# Altium PCB LJ_Mosfet_Power.PcbDoc (part 5 of 5)
Units mm, origin at the board's own origin, x right, y up, seen from the top; angles counter-clockwise.
Board outline 152.51 x 130.13 mm, 2 copper layers (Top Layer, Bottom Layer); 337 components, 193 nets, 1586 pads, 1491 vias.
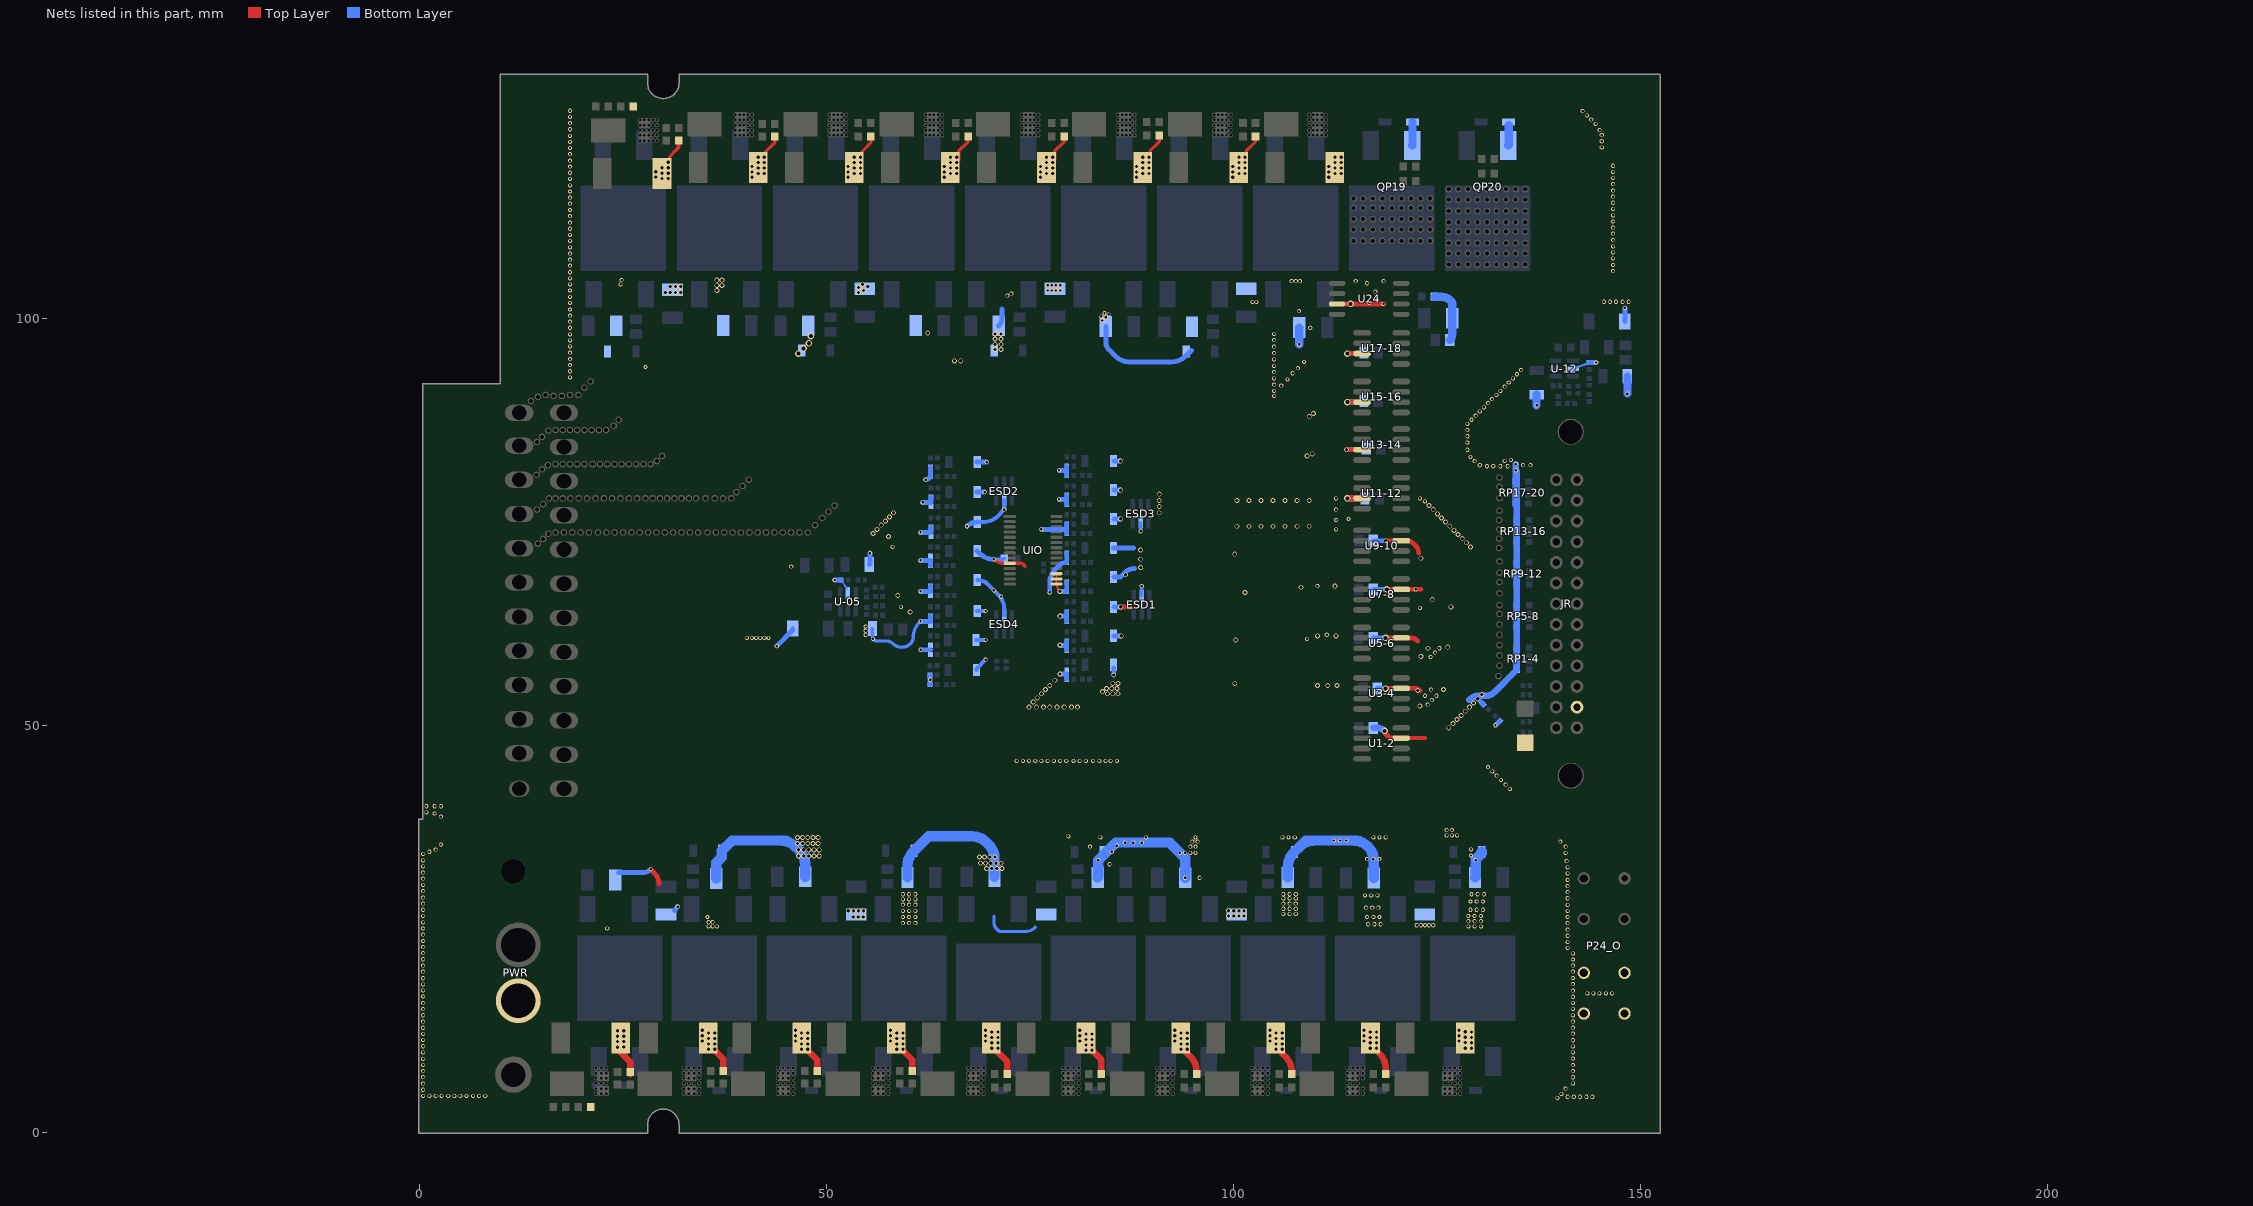
[diagram p5: the nets of this part, all layers, seen from the top]

## Via types
v1: diameter 0.5, hole 0.3, Top Layer to Bottom Layer, tented both sides, 758 vias
v2: diameter 0.6, hole 0.4, Top Layer to Bottom Layer, tented both sides, 698 vias
v3: diameter 0.8, hole 0.5, Top Layer to Bottom Layer, tented both sides, 22 vias
v4: diameter 0.6, hole 0.43, Top Layer to Bottom Layer, tented both sides, 8 vias
v5: diameter 0.5, hole 0.3, Top Layer to Bottom Layer, 3 vias
v6: diameter 0.6, hole 0.3, Top Layer to Bottom Layer, tented both sides, 2 vias

## Nets (pads, with @x,y where several pads share a name; then routed paths per layer and width w, separated by ;. In a path a pad name is that pad's centre, name@x,y a point inside that pad or via, vN(x,y) a via of type N, cw(c..) or ccw(c..) an arc to the next point about the centre after c; other vN are vias at no path point) (continued)
VG_R: C00.1 C1-2.2 C02.1 C3-4.2 C03.1 C04.1 C5-6.2 C05.1 C06.1 C7-8.2 C07.1 C08.1 C9-10.2 C09.1 C10.1 C11-12.2 C11.1 C12.1 C13-14.2 C13.1 C14.1 C15-16.2 C15.1 C16.1 C17-18.2 CA3.1 CA4.2 CB3.1 CB4.2 CI1.1 CQ1.2 CQ2.2 CQ3.2 CQ4.2 CQ5.2 CQ6.2 CQ7.2 CQ8.2 CQ9.2 CQ10.2 CQ11.2 CQ12.2 CQ13.2 CQ14.2 CQ15.2 CQ16.2 CQ17.2 CQ18.2 CQ19.2 CQ20.1 CU1-2.2 CU3-4.2 CU5-6.2 CU7-8.2 CU9-10.2 CU11-12.2 CU13-14.2 CU15-16.2 CU17-18.2 CU24.2 D1-2.1 D3-4.1 D5-6.1 D7-8.1 D9-10.1 D11-12.1 D13-14.1 D15-16.1 D17-18.1 DX_1.1 DX_2.1 DX_3.1 DX_4.1 DX_5.1 DX_6.1 DX_7.1 DX_8.1 DX_9.1 DX_10.1 DX_11.1 DX_12.1 DX_13.1 DX_14.1 DX_15.1 DX_16.1 DX_17.1 DX_18.1 ESD1.2 ESD2.2 ESD3.2 ESD4.2 JR.24 LED_01.K LED_02.K LED_03.K LED_04.K LED_05.K LED_06.K LED_07.K LED_08.K LED_09.K LED_10.K LED_11.K LED_12.K LED_13.K LED_14.K LED_15.K LED_16.K LED_17.K LED_18.K P24_O.1 P24_O.2 PWR.1 QP19.3 QP20.3 R2.1 R5.1 R8.1 R11.1 R14.1 R17.1 R20.1 R23.1 R26.1 R29.1 R32.1 R35.1 R38.1 R41.1 R44.1 R47.1 RA7.2 RB7.2 RI4.2 RI5.2 RP1-4.5 RP1-4.6 RP1-4.7 RP1-4.8 RP5-8.5 RP5-8.6 RP5-8.7 RP5-8.8 RP9-12.5 RP9-12.6 RP9-12.7 RP9-12.8 RP13-16.5 RP13-16.6 RP13-16.7 RP13-16.8 RP17-20.5 RP17-20.6 RP17-20.7 RP17-20.8 SA1.1 SB1.1 TVS.1 U1-2.3 U3-4.3 U5-6.3 U7-8.3 U9-10.3 U11-12.3 U13-14.3 U15-16.3 U17-18.3 U24.3 U-05.2 U-12.2 UIO.10 UIO.15 UIO.16 UIO.17 ZD19.1 ZD20.1 ZM01.1 ZM02.1 ZM03.1 ZM04.1 ZM05.1 ZM06.1 ZM07.1 ZM08.1 ZM09.1 ZM10.1 ZM11.1 ZM12.1 ZM13.1 ZM14.1 ZM15.1 ZM16.1 | length 380.8
  Top Layer w0.254: UIO.17@78.307,68.701 UIO.16@78.307,68.061 78.307,67.577 ccw(c79.785,67.577) v2(78.74,66.532)
  Top Layer w0.4: DX_12.1@29.845,117.84 30.734,118.729 30.734,119.618 cw(c31.347,119.618) 30.914,120.052 31.496,120.634 ; LED_11.K@31.885,121.904 LED_11.K@31.885,121.573 ; DX_11.1@42.545,119.364 42.545,120.507 43.696,121.658 LED_14.K@43.696,122.412 LED_14.K@43.696,122.539 ; DX_14.1@54.356,119.364 54.356,120.507 55.507,121.658 LED_13.K@55.507,122.412 LED_13.K@55.507,122.539 ; DX_13.1@66.294,119.491 66.294,120.634 67.445,121.785 LED_16.K@67.445,122.412 LED_16.K@67.445,122.666 ; v1(70.612,70.469) ccw(c71.791,71.648) 71.791,69.981 UIO.10@72.569,69.981 73.941,69.981 cw(c73.941,69.48) 74.295,69.834 cw(c73.988,69.527) 74.422,69.527 ; DX_16.1@78.105,119.491 78.105,120.634 79.256,121.785 LED_15.K@79.256,122.412 LED_15.K@79.256,122.666 ; DX_15.1@89.789,119.491 89.789,120.634 90.94,121.785 LED_18.K@90.94,122.539 LED_18.K@90.94,122.666 ; DX_18.1@101.6,119.491 101.6,120.634 102.751,121.785 LED_17.K@102.751,122.412 LED_17.K@102.751,122.666 ; LED_11.K@31.885,121.573 cw(c30.557,121.573) 31.497,120.635 31.885,121.023 LED_11.K@31.885,121.573
  Top Layer w0.5: v2(118.745,72.755) U9-10.3@120.65,72.755 ; U1-2.3@120.65,48.498 123.571,48.498
  Top Layer w0.6: v1(28.448,32.369) 28.925,31.892 cw(c27.624,30.591) 29.464,30.591 ; v4(86.173,64.627) 87.376,64.627 ; U24.3@113.284,101.838 v3(114.427,101.838) v1(118.491,101.838) ; v2(113.919,83.931) U13-14.3@115.85,83.931 ; v3(114.046,89.773) U15-16.3@115.85,89.773 ; v3(114.046,95.742) U17-18.3@115.85,95.742 ; v3(118.618,49.387) ccw(c119.231,49.387) 118.798,48.953 118.999,48.752 ccw(c119.612,49.365) 119.612,48.498 U1-2.3@120.65,48.498 ; v3(118.745,54.594) 120.573,54.594 ccw(c120.573,54.702) U3-4.3@120.65,54.626 122.246,54.626 cw(c122.246,53.65) v2@122.936,54.34 ; v3(118.745,60.817) U5-6.3@120.65,60.817 121.762,60.817 cw(c121.762,59.516) 122.682,60.436 ; v3(118.872,66.786) U7-8.3@120.65,66.786 123.063,66.786 ; U9-10.3@120.65,72.755 121.254,72.755 cw(c121.254,71.454) 122.174,72.374 122.45,72.098 cw(c121.583,71.231) 122.809,71.231
  Top Layer w0.8: DX_1.1@24.511,10.938 24.511,10.144 25.916,8.739 LED_02.K@25.916,7.477 LED_02.K@25.916,7.223 ; DX_2.1@35.547,11.643 35.547,10.919 37.346,9.12 LED_03.K@37.346,7.604 ; DX_3.1@46.99,11.643 v2(46.99,11.605) v2(46.99,10.938) 46.99,10.906 48.895,9.001 48.895,7.612 LED_04.K@48.903,7.604 ; DX_4.1@58.638,11.643 58.638,10.942 58.991,10.589 60.587,8.993 LED_05.K@60.587,7.604 ; DX_5.1@70.285,11.643 70.285,10.725 72.271,8.739 LED_06.K@72.271,7.223 ; DX_6.1@81.933,11.643 81.933,10.888 v2(82.677,10.144) 83.828,8.993 LED_07.K@83.828,7.223 ; DX_7.1@93.581,11.643 93.581,11.595 ccw(c96.121,11.595) 94.325,9.799 94.768,9.356 cw(c92.972,7.56) 95.512,7.56 LED_08.K@95.512,7.223 ; DX_8.1@105.229,11.643 105.229,11.632 ccw(c107.769,11.632) 105.973,9.835 106.452,9.356 cw(c104.656,7.56) 107.196,7.56 LED_09.K@107.196,7.223 ; v3(114.046,77.962) U11-12.3@115.85,77.962 ; DX_9.1@116.876,10.87 117.475,10.271 118.009,9.737 cw(c116.213,7.941) 118.753,7.941 LED_10.K@118.753,7.223
  Bottom Layer w0.254: RA7.2@51.865,67.929 U-05.2@52.548,66.893
  Bottom Layer w0.3: U-12.2@141.772,93.903 RB7.2@143.51,94.472
  Bottom Layer w0.4: CA3.1@55.685,61.96 55.685,61.034 ccw(c56.351,61.034) 55.88,60.563 ccw(c56.187,60.87) 56.187,60.436 57.373,60.436 cw(c57.373,59.135) 58.293,60.055 ccw(c59.213,60.975) 59.213,59.674 59.338,59.674 ccw(c59.338,61.136) 60.372,60.102 ccw(c59.567,60.908) 60.706,60.908 cw(c63.246,60.908) 61.45,62.704 v1(61.595,62.849) ; 70.612,26.654 70.612,25.923 ccw(c71.913,25.923) 70.993,25.003 ccw(c71.606,25.616) 71.606,24.749 74.466,24.749 ccw(c74.466,26.483) 75.692,25.257 ; v1(70.612,70.469) 71.567,70.469 ccw(c71.567,70.903) CI1.1@71.874,70.596 ; v1(88.646,73.898) ESD3.2@88.646,74.982 ; ESD1.2@88.773,65.956 v1(88.773,67.167)
  Bottom Layer w0.5: ZM10.1@68.425,60.563 v1(69.596,60.563) ; ZM09.1@68.474,56.88 cw(c68.831,56.88) 68.579,57.133 v1(69.596,58.15) ; ZM14.1@68.536,75.041 ZM14.1@68.552,75.041 69.306,75.041 ccw(c69.306,77.581) 71.102,75.785 v1(71.882,76.565) ESD2.2@71.882,77.776 ; ZM15.1@68.552,64.119 v1(69.596,64.119) ; ZM16.1@68.58,67.929 cw(c68.58,66.089) 69.881,67.39 71.138,66.133 cw(c69.342,64.337) 71.882,64.337 ESD4.2@71.882,63.543
  Bottom Layer w0.6: CQ1.2@24.511,31.988 27.528,31.988 ccw(c27.528,33.289) v1(28.448,32.369) ; C1-2.2@31.369,27.289 v1(31.75,27.797) ; v1(43.942,59.801) 45.756,61.615 ccw(c45.411,61.96) SA1.1@45.899,61.96 ; v1(51.054,67.929) RA7.2@51.865,67.929 ; CA4.2@55.304,69.834 55.372,69.902 v1(55.372,71.231) ; v1(61.595,62.849) 62.821,62.849 C15.1@62.821,63.484 ; v1(61.595,66.532) 62.849,66.532 C16.1@62.849,67.167 ; v1(61.595,70.342) 62.843,70.342 62.843,69.729 R38.1@62.821,69.707 ; v1(61.595,73.771) 62.887,73.771 C14.1@62.887,74.406 ; v1(61.621,59.356) 62.805,59.356 ; v1(61.849,77.454) 62.887,77.454 C11.1@62.887,78.089 ; v1(62.23,80.248) ccw(c62.23,80.755) 62.589,80.396 R35.1@62.821,80.629 ; R26.1@62.777,55.102 v1(62.777,55.674) C09.1@62.777,56.245 ; R35.1@62.821,80.883 C12.1@62.821,81.772 ; v1(67.31,74.533) cw(c68.536,73.307) ZM14.1@68.536,75.041 ; ZM13.1@68.552,71.485 68.83,71.207 ccw(c70.612,72.989) v1(70.612,70.469) ; ZM11.1@68.552,78.724 v1(69.469,78.724) ; ZM12.1@68.552,82.407 v1(69.723,82.407) ; CQ16.2@71.196,99.146 ccw(c70.154,100.188) 71.628,100.188 71.628,101.203 ; v1(76.454,74.152) 79.569,74.152 ; v1(77.47,66.405) 77.47,67.512 cw(c80.01,67.512) 78.214,69.308 78.587,69.681 cw(c79.569,68.7) R17.1@79.569,70.088 C06.1@79.569,71.231 ; v1@78.673,77.835 79.502,77.835 ; v1@78.673,81.391 79.502,81.391 ; v2(78.74,56.372) 79.569,56.372 R11.1@79.569,55.737 ; v2@78.74,59.864 79.569,59.864 ; v2(78.74,63.484) 79.569,63.484 ; v2(78.74,66.532) R5.1@79.569,66.532 C02.1@79.569,67.675 ; R8.1@79.569,59.293 79.569,59.864 ; C03.1@79.569,60.436 79.569,59.864 ; R14.1@79.569,62.849 79.569,63.484 ; C05.1@79.569,63.992 79.569,63.484 ; R2.1@79.569,73.644 79.569,74.152 ; C00.1@79.569,74.787 79.569,74.152 ; R20.1@79.569,77.2 C07.1@79.569,78.343 ; R23.1@79.569,80.756 C08.1@79.569,81.899 ; CQ15.2@84.379,99.069 84.379,97.047 ccw(c85.506,97.047) 84.709,96.25 85.489,95.47 ccw(c87.285,97.266) 87.285,94.726 92.42,94.726 ccw(c92.42,97.266) 94.216,95.47 94.869,96.123 ; ZM06.1@85.316,71.866 87.757,71.866 ; v2@85.344,56.305 ZM04.1@85.344,57.134 ; ZM03.1@85.344,61.071 v4@86.173,61.071 ; ZM05.1@85.344,64.627 v4(86.173,64.627) ; ZM02.1@85.344,68.31 86.173,68.31 86.698,68.835 cw(c87.884,67.648) 87.884,69.326 ; ZM01.1@85.344,75.422 v4(86.173,75.422) ; ZM07.1@85.344,78.978 v4(86.173,78.978) ; ZM08.1@85.344,82.534 v4(86.173,82.534) ; v2(113.919,83.931) 115.897,83.931 ccw(c115.897,84.365) CU13-14.2@116.204,84.058 ; v3(114.046,89.773) CU15-16.2@116.077,89.773 ; v3(114.046,95.742) 115.77,95.742 ccw(c115.77,96.176) CU17-18.2@116.077,95.869 ; CU5-6.2@117.222,60.817 v3(118.745,60.817) ; CU7-8.2@117.222,66.786 v3(118.872,66.786) ; CU9-10.2@117.222,72.755 v2(118.745,72.755) ; CU3-4.2@117.73,54.594 v3(118.745,54.594) ; 129.733,53.639 v2(130.048,53.324) RI4.2@130.763,52.609 ; v1(132.231,50.08) RI5.2@132.762,50.61 ; RB7.2@143.764,94.643 v1(144.609,94.643) ; SB1.1@148.123,99.679 v1(148.123,101.358)
  Bottom Layer w0.8: v3(114.046,77.962) CU11-12.2@116.204,77.962 ; CU1-2.2@117.222,49.768 117.698,49.768 cw(c117.698,48.467) v3(118.618,49.387) ; 129.032,53.213 cw(c130.258,51.987) 129.733,53.639 cw(c130.258,51.987) 130.258,53.721 131.064,53.721 ccw(c131.064,55.186) 132.1,54.15 RP1-4.5@134.858,56.908 RP1-4.6@134.858,57.858 RP1-4.7@134.858,58.658 RP1-4.8@134.858,59.608 RP5-8.5@134.858,62.131 RP5-8.6@134.858,63.081 RP5-8.7@134.858,63.882 RP5-8.8@134.858,64.831 RP9-12.5@134.858,67.355 RP9-12.6@134.858,68.305 RP9-12.8@134.858,70.055 RP13-16.5@134.858,72.578 RP13-16.6@134.858,73.528 RP13-16.7@134.858,74.328 134.858,77.31 134.858,81.139 ccw(c134.479,81.139) v1(134.747,81.407) ; RP17-20.5@134.747,77.31 RP17-20.6@134.747,78.26 RP17-20.8@134.747,80.01 v1(134.747,81.407) ; v1(134.747,82.169) v1(134.747,81.407)
  Bottom Layer w1: v1(108.128,96.881) CQ17.2@108.128,98.942 ; QP19.3@122.008,121.309 122.047,121.348 ZD19.1@122.047,124.19 ; CQ19.2@124.722,102.727 125.52,102.727 cw(c125.52,100.993) 126.746,102.219 cw(c126.317,101.79) 126.924,101.79 CQ20.1@126.924,100.085 126.924,98.126 cw(c125.887,98.126) CU24.2@126.62,97.393 ; QP20.3@133.803,121.309 133.858,121.364 ZD20.1@133.858,123.809 ; v1(137.287,89.392) CB3.1@137.287,90.696 ; v1(148.429,90.823) CB4.2@148.429,92.948
  Bottom Layer w1.27: CQ2.2@36.5,31.251 36.5,33.182 37.183,33.865 D1-2.1@37.183,34.655 38.453,35.925 44.414,35.925 cw(c44.414,33.385) 46.21,35.181 v2(46.609,34.782) 46.703,34.688 cw(c44.907,32.892) 47.447,32.892 CQ3.2@47.447,31.455 ; CQ4.2@59.995,31.378 59.995,32.793 cw(c62.535,32.793) 60.071,33.41 cw(c62.535,32.793) 60.111,33.552 cw(c62.535,32.793) 60.739,34.589 D3-4.1@60.805,34.655 62.583,36.433 67.909,36.433 cw(c67.909,33.893) 69.705,35.689 69.944,35.45 cw(c68.148,33.654) 70.688,33.654 CQ5.2@70.688,31.455 ; CQ6.2@83.363,31.378 83.439,31.455 v1(83.439,33.512) 85.598,35.671 v1(86.741,35.671) v1(87.757,35.671) v1(88.773,35.671) 92.202,35.671 v1(93.472,34.401) 94.107,33.766 v1(94.107,31.353) ; CQ8.2@106.731,31.378 106.731,32.666 cw(c109.271,32.666) 107.475,34.462 D7-8.1@107.541,34.528 108.194,35.181 cw(c109.99,33.385) 109.99,35.925 ; 108.571,35.558 108.938,35.925 109.99,35.925 ; CQ9.2@117.297,31.328 117.297,33.42 ccw(c114.807,33.42) 116.568,35.181 ccw(c114.772,33.385) 114.772,35.925 v1(113.905,35.925) v1(113.143,35.925) v1(112.381,35.925) 109.99,35.925 ; CQ10.2@129.718,31.378 129.794,31.455 v1(129.794,33.512) 129.794,33.639 130.528,34.373 D9-10.1@130.528,34.528
  other v1: 139.827,4.302 141.097,4.445 141.844,4.445 142.592,4.445 143.398,4.445 144.145,4.445 0.508,4.556 1.255,4.556 2.032,4.556 2.779,4.556 3.585,4.556 4.333,4.556 5.08,4.556 5.827,4.556 6.633,4.556 7.381,4.556 8.128,4.556 140.335,4.81 0.508,5.303 140.843,5.445 0.508,6.051 141.732,6.095 141.732,6.842 0.508,6.857 141.732,7.589 0.508,7.604 0.508,8.351 141.732,8.337 0.508,9.099 141.732,9.143 141.732,9.89 0.508,9.905 141.732,10.637 0.508,10.652 141.732,11.385 0.508,11.429 0.508,12.176 141.732,12.191 0.508,12.923 141.732,12.938 0.508,13.671 141.732,13.685 141.732,14.433 0.508,14.462 0.508,15.209 141.732,15.239 0.508,15.957 141.732,15.986 141.732,16.733 0.508,16.763 143.51,17.145 144.257,17.145 145.005,17.145 145.811,17.145 146.558,17.145 141.732,17.481 0.508,17.51 0.508,18.257 141.732,18.287 0.508,19.005 141.732,19.034 0.508,19.811 141.732,19.811 0.508,20.558 141.732,20.558 141.732,21.305 0.508,21.335 141.732,22.053 0.508,22.082 141.097,22.732 0.508,22.829 141.097,23.479 0.508,23.577 141.097,24.226 0.508,24.368 141.097,24.974 0.508,25.115 23.114,25.13 35.56,25.384 36.068,25.384 36.576,25.384 128.905,25.384 129.667,25.384 130.429,25.384 122.555,25.511 123.063,25.511 123.571,25.511 124.079,25.511 124.587,25.511 116.586,25.638 117.348,25.638 118.11,25.638 59.436,25.765 60.198,25.765 60.96,25.765 141.097,25.78 0.508,25.863 35.56,25.892 36.068,25.892 128.905,26.019 129.667,26.019 130.429,26.019 35.433,26.527 59.436,26.527 60.198,26.527 60.96,26.527 116.459,26.527 117.221,26.527 117.983,26.527 141.097,26.527 128.905,26.654 129.667,26.654 130.429,26.654 0.508,26.669 106.172,26.908 106.934,26.908 107.696,26.908 141.097,27.274 59.436,27.289 60.198,27.289 60.96,27.289 0.508,27.416 129.159,27.416 129.921,27.416 130.683,27.416 106.172,27.543 106.934,27.543 107.696,27.543 116.332,27.67 117.094,27.67 117.856,27.67 141.097,28.022 59.436,28.051 60.198,28.051 60.96,28.051 0.508,28.163 106.172,28.178 106.934,28.178 107.696,28.178 129.159,28.432 129.921,28.432 130.683,28.432 59.436,28.686 60.198,28.686 60.96,28.686 106.172,28.813 106.934,28.813 107.696,28.813 141.097,28.828 0.508,28.911 116.205,29.194 116.967,29.194 117.729,29.194 59.436,29.321 60.198,29.321 60.96,29.321 106.172,29.321 106.934,29.321 107.696,29.321 129.286,29.321 130.048,29.321 130.81,29.321 141.097,29.575 0.508,29.717 141.097,30.322 0.508,30.464 141.097,31.07 0.508,31.241 95.885,31.353 141.097,31.876 0.508,31.988 141.097,32.623 0.508,32.735 84.836,33.004 140.97,33.385 0.508,33.483 116.459,33.639 117.221,33.639 117.983,33.639 129.223,34.083 0.508,34.29 94.107,34.401 94.742,34.401 95.377,34.401 140.843,34.401 85.09,34.528 1.27,34.544 2.032,34.798 129.223,34.845 82.423,35.163 94.742,35.163 95.377,35.163 140.843,35.163 85.725,35.29 2.667,35.433 94.996,35.798 95.631,35.798 140.208,35.798 83.693,36.306 89.281,36.306 95.377,36.306 106.045,36.306 106.807,36.306 107.569,36.306 117.221,36.306 117.983,36.306 118.745,36.306 79.756,36.433 126.238,36.56 126.873,36.56 127.508,36.56 126.238,37.195 126.873,37.195 2.667,38.862 1.905,39.243 0.889,39.37 0.889,40.132 1.905,40.132 2.667,40.132 133.996,42.264 133.468,42.792 132.898,43.362 132.369,43.891 131.841,44.419 131.312,44.948 73.406,45.704 74.168,45.704 74.93,45.704 75.692,45.704 76.454,45.704 77.216,45.704 77.978,45.704 78.74,45.704 79.502,45.704 80.391,45.704 81.153,45.704 81.915,45.704 82.804,45.704 83.566,45.704 84.328,45.704 84.963,45.704 85.725,45.704 123.89,52.627 124.429,53.166 123.571,53.705 124.968,53.705 124.333,54.467 124.271,58.469 124.81,59.008 125.349,59.547 55.753,60.69 109.093,60.69 40.259,60.817 40.894,60.817 41.402,60.817 41.91,60.817 42.418,60.817 42.926,60.817 54.864,61.198 111.506,61.198 54.864,61.706 54.864,62.214 122.936,64.5 59.182,64.627 71.501,65.897 70.612,66.659 122.428,66.786 110.363,67.167 45.72,69.58 58.166,71.993 112.649,74.152 112.649,75.295 114.173,75.422 112.649,76.565 123.571,77.581 78.613,77.835 112.649,77.962 122.936,77.962 78.613,81.391 131.191,81.899 131.953,81.899 132.842,81.899 133.731,81.899 130.302,82.026 135.636,82.042 136.525,82.042 129.667,82.534 133.35,82.55 134.112,82.677 129.159,83.042 128.778,83.931 128.778,84.82 128.778,85.582 128.778,86.344 128.778,87.106 129.286,87.614 129.794,88.122 130.302,88.63 130.81,89.138 131.318,89.646 131.826,90.154 105.029,90.535 132.334,90.662 105.029,91.17 132.842,91.17 133.35,91.678 105.918,91.805 105.029,91.932 133.858,92.186 106.68,92.567 105.029,92.694 134.366,92.694 18.542,92.821 134.874,93.202 107.315,93.329 105.029,93.456 18.542,93.568 135.382,93.71 107.95,93.964 27.813,94.091 105.029,94.239 18.542,94.316 108.712,94.726 105.029,95.022 18.542,95.063 105.029,95.805 18.542,95.869 105.029,96.589 18.542,96.616 18.542,97.364 105.029,97.393 18.542,98.111 105.029,98.155 18.542,98.917 109.474,98.917 18.542,99.664 83.947,99.806 84.328,100.187 83.82,100.314 18.542,100.412 84.709,100.568 84.201,100.695 108.077,100.949 18.542,101.159 18.542,101.965 116.713,101.965 102.4,102.092 102.85,102.092 145.542,102.108 146.289,102.108 147.037,102.108 147.843,102.108 148.59,102.108 18.542,102.712 72.263,102.854 72.771,103.108 117.475,103.362 18.542,103.489 77.216,103.489 77.724,103.489 78.232,103.489 78.74,103.489 77.216,104.124 77.724,104.124 78.232,104.124 78.74,104.124 18.542,104.236 24.765,104.251 116.459,104.378 107.188,104.632 107.696,104.632 108.204,104.632 115.062,104.632 118.491,104.632 24.892,104.759 18.542,104.984 18.542,105.731 146.685,105.873 18.542,106.537 146.685,106.62 18.542,107.284 146.685,107.426 18.542,108.032 146.685,108.173 18.542,108.779 146.685,108.921 18.542,109.585 146.685,109.668 18.542,110.332 146.685,110.474 18.542,111.08 146.685,111.221 18.542,111.827 146.685,111.969 18.542,112.633 146.685,112.716 18.542,113.38 146.685,113.522 18.542,114.157 146.685,114.269 18.542,114.904 146.685,115.017 18.542,115.652 146.685,115.764 18.542,116.399 146.685,116.57 18.542,117.205 146.685,117.317 18.542,117.952 146.685,118.065 18.542,118.7 146.685,118.812 18.542,119.447 18.542,120.253 18.542,121 145.288,121.075 18.542,121.748 145.288,121.822 18.542,122.495 145.288,122.57 145.034,123.19 18.542,123.301 144.526,123.952 18.542,124.048 143.997,124.481 18.542,124.825 143.469,125.009 142.94,125.538 18.542,125.572
  other v2: 81.915,10.144 35.56,10.271 36.322,10.271 46.99,10.271 47.752,10.271 58.674,10.271 59.436,10.271 93.599,10.271 94.361,10.271 105.283,10.271 106.045,10.271 70.358,10.398 71.12,10.398 116.84,10.398 117.602,10.398 128.524,10.398 129.286,10.398 24.384,10.525 25.146,10.557 81.915,10.811 82.677,10.811 35.56,10.938 36.322,10.938 47.752,10.938 58.674,10.938 59.436,10.938 93.599,10.938 94.361,10.938 105.283,10.938 106.045,10.938 70.358,11.065 71.12,11.065 116.84,11.065 117.602,11.065 129.286,11.065 128.524,11.097 24.384,11.224 25.146,11.224 34.798,11.287 46.228,11.287 57.912,11.287 69.596,11.287 81.153,11.287 92.837,11.287 104.521,11.287 116.078,11.287 127.762,11.287 81.915,11.478 82.677,11.478 35.56,11.605 36.322,11.605 47.752,11.605 58.674,11.605 59.436,11.605 93.599,11.605 94.361,11.605 105.283,11.605 106.045,11.605 70.358,11.732 71.12,11.732 116.84,11.732 117.602,11.732 129.286,11.732 128.524,11.763 24.384,11.89 25.146,11.89 34.798,11.954 46.228,11.954 57.912,11.954 69.596,11.954 81.153,11.954 92.837,11.954 104.521,11.954 116.078,11.954 127.762,11.954 81.915,12.144 82.677,12.144 35.56,12.271 36.322,12.271 46.99,12.271 47.752,12.271 58.674,12.271 59.436,12.271 93.599,12.271 94.361,12.271 105.283,12.271 106.045,12.271 70.358,12.398 71.12,12.398 116.84,12.398 117.602,12.398 129.286,12.398 128.524,12.43 24.384,12.557 25.146,12.557 34.798,12.621 46.228,12.621 57.912,12.621 69.596,12.621 81.153,12.621 92.837,12.621 104.521,12.621 116.078,12.621 127.762,12.621 53.329,26.527 53.954,26.527 54.578,26.527 99.441,26.654 100.076,26.654 100.711,26.654 101.346,26.654 52.737,27.289 53.361,27.289 53.986,27.289 54.61,27.289 99.441,27.289 100.076,27.289 100.711,27.289 101.346,27.289 69.723,32.496 70.347,32.496 70.972,32.496 71.596,32.496 68.961,33.131 69.596,33.131 70.231,33.131 70.866,33.131 71.501,33.131 68.834,33.893 69.469,33.893 70.104,33.893 70.739,33.893 46.609,34.02 47.244,34.02 47.879,34.02 48.514,34.02 49.149,34.02 47.244,34.782 47.879,34.782 48.514,34.782 49.149,34.782 46.482,35.544 47.117,35.544 47.752,35.544 48.387,35.544 49.022,35.544 46.482,36.306 47.117,36.306 47.752,36.306 48.387,36.306 49.022,36.306 126.492,49.768 127,50.276 127.508,50.784 128.016,51.292 128.524,51.8 74.93,52.308 75.819,52.308 76.708,52.308 77.47,52.308 78.359,52.308 79.248,52.308 80.137,52.308 80.899,52.308 129.032,52.308 122.936,52.435 129.54,52.816 75.438,52.943 75.946,53.451 130.556,53.848 76.454,53.959 84.582,53.959 85.217,53.959 85.852,53.959 83.947,54.213 122.682,54.34 76.962,54.467 125.857,54.467 84.455,54.594 85.09,54.594 85.725,54.594 77.47,54.975 110.363,54.975 111.633,54.975 112.776,54.975 85.217,55.229 85.852,55.229 100.203,55.229 78.105,55.61 85.344,56.245 123.063,58.531 123.952,59.547 126.365,59.674 78.74,59.928 100.33,60.563 110.363,61.071 112.649,61.071 60.325,63.992 126.746,64.627 124.46,65.516 58.801,66.024 101.473,66.405 108.331,67.04 112.522,67.167 86.774,68.57 88.646,69.453 88.646,70.469 123.063,70.596 100.203,71.104 88.646,71.612 129.159,71.993 128.651,72.501 128.143,73.009 57.658,73.263 127.635,73.517 55.753,73.644 127.127,74.025 56.261,74.152 100.457,74.533 101.939,74.533 103.42,74.533 104.902,74.533 106.384,74.533 107.865,74.533 109.347,74.533 126.619,74.533 56.769,74.66 126.111,75.041 57.277,75.168 125.603,75.549 57.785,75.676 125.095,76.057 58.293,76.184 90.932,76.184 124.587,76.565 90.932,76.946 124.079,77.073 90.932,77.708 100.457,77.708 101.939,77.708 103.42,77.708 104.902,77.708 106.384,77.708 107.865,77.708 109.347,77.708 90.932,78.47 109.093,83.169 109.728,83.423 109.347,87.995 109.855,88.376 65.786,94.853 66.548,94.853 70.739,96.25 71.501,96.25 70.739,96.885 71.501,96.885 70.739,97.52 71.501,97.52 70.739,98.155 71.501,98.155 62.484,98.282 30.226,103.235 30.861,103.235 31.496,103.235 32.131,103.235 53.975,103.235 36.576,103.489 54.61,103.489 53.975,103.87 30.861,103.997 31.496,103.997 32.131,103.997 55.118,103.997 36.576,104.124 37.211,104.124 54.483,104.251 36.576,104.759 37.211,104.759 29.845,117.237 30.607,117.237 40.894,117.396 52.705,117.396 64.516,117.396 76.327,117.396 88.138,117.396 99.949,117.396 111.76,117.396 29.083,117.427 41.656,117.872 42.418,117.872 53.467,117.872 54.229,117.872 65.278,117.872 66.04,117.872 77.089,117.872 77.851,117.872 88.9,117.872 89.662,117.872 100.711,117.872 101.473,117.872 112.522,117.872 113.284,117.872 29.845,117.904 30.607,117.904 40.894,118.062 52.705,118.062 64.516,118.062 76.327,118.062 88.138,118.062 99.949,118.062 111.76,118.062 29.083,118.094 41.656,118.539 42.418,118.539 53.467,118.539 54.229,118.539 65.278,118.539 66.04,118.539 77.089,118.539 77.851,118.539 88.9,118.539 89.662,118.539 100.711,118.539 101.473,118.539 112.522,118.539 113.284,118.539 29.845,118.57 30.607,118.57 40.894,118.729 52.705,118.729 64.516,118.729 76.327,118.729 88.138,118.729 99.949,118.729 111.76,118.729 41.656,119.205 42.418,119.205 53.467,119.205 54.229,119.205 65.278,119.205 66.04,119.205 77.089,119.205 77.851,119.205 88.9,119.205 89.662,119.205 100.711,119.205 101.473,119.205 112.522,119.205 113.284,119.205 30.607,119.237 41.656,119.872 42.418,119.872 53.467,119.872 54.229,119.872 65.278,119.872 66.04,119.872 77.089,119.872 77.851,119.872 88.9,119.872 89.662,119.872 100.711,119.872 101.473,119.872 112.522,119.872 113.284,119.872
  other v3: 46.609,95.742 47.244,96.377 47.879,97.012 48.133,97.901
  other v4: 86.233,61.071
pads on no net: JR.BO1 JR.BO2 PWR.3 PWR.4 U24.1 U24.8 UIO.11 UIO.14

## Polygon pours and split planes (outlines as drawn)
VG_R on Top Layer "Top Layer-VG" (solid, remove dead copper, pour order 5): 0,-0.064 cw(c0,0) -0.064,0 -0.064,92 cw(c0,92) 0.034,92.054 cw(c0.068,92) 0.068,92.064 12.7,92.064 12.7,130 28,130.064 cw(c28,130) 28.064,130 28.064,129.004 ccw(c30,129.002) 31.936,129 31.936,130 cw(c32,130) 32,130.064 152.38,130.064 cw(c152.38,130) 152.444,130 152.444,0 cw(c152.38,0) 152.38,-0.064 32.004,-0.064 cw(c32.004,0) 31.94,0 31.94,0.977 cw(c32,1) 31.936,1 ccw(c30,1) 28.064,1 28.064,0 cw(c28,0) 28,-0.064
VG_R on Bottom Layer "Bottom Layer-VG" (solid, remove dead copper, pour order 9): 0,-0.064 cw(c0,0) -0.064,0 -0.064,92 cw(c0,92) 0.034,92.054 cw(c0.068,92) 0.068,92.064 12.7,92.064 12.7,129.905 28,130.064 cw(c28,130) 28.064,130 28.064,129.004 ccw(c30,129.002) 31.936,129 31.936,130 cw(c32,130) 32,130.064 152.38,130.064 cw(c152.38,130) 152.444,130 152.444,0 cw(c152.38,0) 152.38,-0.064 32.004,-0.064 cw(c32.004,0) 31.94,0 31.94,0.977 cw(c32,1) 31.936,1 ccw(c30,1) 28.064,1 28.064,0 cw(c28,0) 28,-0.064

## Other copper
Top Layer:
  rectangle net VG_R: 6.096,12.684 15.367,16.367
  rectangle net VG_R: 7.62,14.462 16.383,19.288
  rectangle net V24: 8.128,20.177 16.129,27.035
  rectangle net NetCQ18_1: 95.631,115.046 97.155,116.189
  rectangle net NetCQ14_1: 51.308,113.522 52.07,114.284
  rectangle net NetCQ14_1: 50.673,113.014 51.308,114.284
  rectangle net NetCQ14_1: 48.895,112.379 50.673,114.284
  rectangle net NetCQ14_1: 48.895,114.284 52.578,116.189
  rectangle net NetCQ12_1: 27.559,109.204 29.464,114.792
  rectangle net NetCQ12_1: 24.511,107.299 27.559,114.792
  rectangle net NetCQ17_1: 105.156,113.395 107.696,114.03
  rectangle net NetCQ17_1: 104.394,111.998 107.569,113.395
  rectangle net NetCQ17_1: 107.569,111.998 112.903,115.808
  rectangle net VG_R: 46.99,12.684 48.133,14.081
  rectangle net K_Out_20: 125.984,105.775 136.525,116.443
  rectangle net K_Out_19: 114.173,108.95 124.714,115.427
  rectangle net K_Out_17: 104.013,116.697 107.061,122.412
  rectangle net K_Out_18: 92.202,116.697 95.25,122.412
  rectangle net K_Out_15: 80.391,116.697 83.439,122.412
  rectangle net K_Out_16: 68.58,116.697 71.628,122.412
  rectangle net K_Out_13: 56.769,116.697 59.817,122.412
  rectangle net K_Out_14: 44.958,116.697 48.006,122.412
  rectangle net K_Out_11: 33.147,116.697 36.195,122.412
  rectangle net K_Out_12: 21.082,115.935 24.13,121.65
  rectangle net NetDP12_1: 26.67,120.761 29.464,124.825
  rectangle net NetDP17_1: 109.093,121.396 111.633,125.46
  rectangle net NetDP18_1: 97.409,121.396 99.949,125.46
  rectangle net NetDP15_1: 85.598,121.396 88.138,125.46
  rectangle net NetDP16_1: 73.787,121.396 76.327,125.46
  rectangle net NetDP13_1: 61.976,121.396 64.516,125.46
  rectangle net NetDP14_1: 50.165,121.396 52.705,125.46
  rectangle net NetDP11_1: 38.608,121.396 41.148,125.46
  rectangle net NetDP10_1: 125.476,4.429 128.27,8.366
  rectangle net NetDP1_1: 21.463,4.556 23.368,8.366
  rectangle net NetDP2_1: 32.258,4.556 34.798,8.366
  rectangle net NetDP3_1: 43.815,4.556 46.355,8.366
  rectangle net NetDP4_1: 55.499,4.556 58.039,8.366
  rectangle net NetDP9_1: 113.792,4.429 116.205,8.366
  rectangle net NetDP8_1: 102.108,4.556 104.648,8.366
  rectangle net NetDP7_1: 90.424,4.556 92.964,8.366
  rectangle net NetDP6_1: 78.867,4.556 81.407,8.366
  rectangle net NetDP5_1: 67.183,4.556 69.723,8.366
  rectangle net NetCQ18_1: 95.631,114.411 96.52,115.046
  rectangle net NetCQ18_1: 95.631,113.776 95.885,114.411
  pour cut-out: 0.508,92.059 -0.254,92.059 -0.254,38.465 0.508,38.465
Bottom Layer:
  rectangle net V24: 17.907,33.766 29.337,35.798
  rectangle net VG_R: 7.747,12.303 16.383,19.161
  rectangle net V24: 14.478,29.194 18.288,36.052
  rectangle net V24: 8.636,20.05 18.288,29.194
  rectangle net V24: 3.81,20.05 8.636,40.624
  rectangle net VG_R: 122.301,25.257 124.841,26.146
  rectangle net VG_R: 128.905,29.067 130.556,30.591
  rectangle net V24: 91.948,44.18 99,89.9
  rectangle net V24: 22.225,40.116 26.924,43.545
  rectangle net V24: 3.81,35.925 12.192,40.624
  rectangle net V24: 11.938,35.798 29.337,40.624
  rectangle net V24: 28.829,92.694 33.401,101.584
  rectangle net V24: 52.451,92.567 57.023,101.457
  rectangle net V24: 75.819,92.567 80.391,101.457
  rectangle net V24: 28.829,88.63 103.886,93.964
  rectangle net V24: 99.314,91.551 103.886,100.441
  rectangle net VG_R: 22.606,95.234 25.019,100.441
  rectangle net VG_R: 46.482,95.361 48.641,100.441
  rectangle net VG_R: 70.104,95.361 72.009,100.441
  rectangle net VG_R: 93.853,95.234 95.758,100.314
  rectangle net NetDP17_1: 109.093,121.396 111.633,125.46
  rectangle net NetDP18_1: 97.409,121.396 99.949,125.46
  rectangle net NetDP15_1: 85.598,121.396 88.138,125.46
  rectangle net NetDP16_1: 73.787,121.396 76.327,125.46
  rectangle net NetDP13_1: 61.976,121.396 64.516,125.46
  rectangle net NetDP14_1: 50.165,121.396 52.705,125.46
  rectangle net NetDP11_1: 38.354,121.396 41.148,125.46
  rectangle net NetDP12_1: 26.67,119.491 29.464,124.825
  rectangle net NetD11-12_2: 25.908,95.234 27.432,98.79
  rectangle net NetD17-18_2: 96.774,95.234 98.298,98.663
  rectangle net NetD15-16_2: 73.025,95.361 74.676,99.044
  rectangle net NetD13-14_2: 49.784,95.361 51.308,98.917
  rectangle net NetCQ12_1: 19.812,97.901 21.463,101.33
  rectangle net NetCQ17_1: 110.617,97.52 112.522,102.6
  rectangle net NetCQ18_1: 90.678,97.647 92.583,102.727
  rectangle net NetCQ15_1: 86.868,97.647 88.773,102.727
  rectangle net NetCQ16_1: 66.929,97.901 68.834,106.283
  rectangle net NetCQ13_1: 63.5,97.774 65.405,102.854
  rectangle net NetCQ14_1: 43.561,97.901 45.339,106.283
  rectangle net NetCQ11_1: 40.005,97.901 41.783,102.981
  rectangle net V24: 25.908,99.298 35.433,101.584
  rectangle net V24: 49.784,99.552 59.055,101.457
  rectangle net V24: 73.025,99.425 82.55,101.457
  rectangle net V24: 97.282,99.933 99.314,104.632
  rectangle net V24: 103.886,99.806 106.045,104.632
  rectangle net V24: 96.774,99.298 106.045,100.568
  rectangle net NetCQ17_1: 109.22,101.457 112.268,107.426
  rectangle net NetCQ18_1: 90.932,101.457 93.98,106.283
  rectangle net NetCQ15_1: 85.725,101.457 88.773,106.918
  rectangle net NetCQ16_1: 67.564,101.457 70.485,107.172
  rectangle net NetCQ13_1: 62.23,101.457 65.405,106.41
  rectangle net NetCQ14_1: 44.196,101.457 47.625,107.299
  rectangle net NetCQ11_1: 38.354,101.457 41.783,106.791
  rectangle net NetCQ12_1: 19.812,101.33 22.606,107.045
  rectangle net NetDP10_1: 125.476,4.556 128.27,8.366
  rectangle net NetDP9_1: 113.792,4.556 116.205,8.366
  rectangle net NetDP8_1: 102.108,4.556 104.648,8.239
  rectangle net NetDP7_1: 90.424,4.556 93.327,7.985
  rectangle net NetDP6_1: 78.867,4.556 81.679,7.985
  rectangle net NetDP5_1: 67.183,4.556 70.031,7.985
  rectangle net NetDP4_1: 55.499,4.556 58.039,8.239
  rectangle net NetDP3_1: 43.815,4.556 46.355,8.366
  rectangle net NetDP2_1: 32.258,4.556 34.798,7.985
  rectangle net NetDP1_1: 20.828,4.556 23.368,8.366
  rectangle net V24: 120.142,29.194 125.095,41.767
  rectangle net V24: 26.924,37.5 125.095,44.5
  rectangle net V24: 97.028,29.194 101.981,41.767
  rectangle net V24: 73.66,29.194 78.613,41.767
  rectangle net V24: 50.292,29.194 55.245,41.767
  rectangle net V24: 28.956,29.194 32.385,41.767
  rectangle net VG_R: 83.693,99.933 85.09,100.949
  rectangle net V24: 124.333,38.211 149.225,41.132
  rectangle net V24: 141.859,25.003 149.225,38.465

## Silkscreen, mask and mechanical layers (free items; w line width, h text height)
Top Overlay:
  circle w0.254: c96.266,71.247 r1.5
  circle w0.152: c97.028,71.501 r0.1
  circle w0.152: c95.912,71.501 r0.1
  rectangle: 0,27.686 16.129,35.433
  rectangle: -0.008,-0.127 16.121,10.541
  lines w0.127: -41.402,131.8 10,131.8 ; -36.195,-1.8 10,-1.8 ; -0.83,92 0.127,92 ; 0,4 220,4 ; 0,91.974 0,130 ; 0,126 220,126 ; 0.127,91.17 12.927,91.17 ; 4.794,130 9.271,130 ; 160,2.905 160,128.98 ; 186.924,3.032 186.924,129.107 ; 220,2.905 220,130
  lines w0.152: 91.567,61.849 92.456,62.738 ; 91.567,62.357 92.456,63.246 ; 91.567,62.865 92.456,63.754
  lines w0.254: 91.948,65.786 91.948,66.167 93.472,66.167 94.488,67.183 96.266,67.183 ; 93.98,61.595 94.488,61.595 94.488,62.738 96.266,64.516 ; 95.504,71.628 cw(c95.948,71.31) 96.266,71.755 ; 95.631,70.485 ccw(c96.266,71.247) 97.028,70.612 ; 96.266,69.723 96.266,67.183 ; 96.647,71.755 cw(c96.965,71.438) 97.282,71.755 ; 100.457,61.976 100.203,61.722 99.06,61.722 96.266,64.516 ; 100.838,68.834 100.838,68.453 99.822,68.453 98.552,67.183 96.266,67.183 ; 96.266,64.516 96.266,67.183
  text "12" at 20.815,125.936 h4.5
  text "18" at 91.681,125.936 h4.5
  text "17" at 103.619,125.936 h4.5
  text "19" at 115.811,125.936 h4.5
  text "20" at 127.622,125.936 h4.5
  text "11" at 32.753,125.84 h4.5
  text "14" at 44.564,125.84 h4.5
  text "13" at 56.375,125.84 h4.5
  text "16" at 68.186,125.84 h4.5
  text "15" at 79.997,125.84 h4.5
  text "k12" at 0.762,87.614 h3
  text "K11" at 5.588,87.614 h3
  text "K14" at 0.762,83.677 h3
  text "K13" at 5.588,83.677 h3
  text "20" at 130.302,80.264 h1
  text "02-19" at 148.323,79.549 h1.54
  text "01-20" at 143.624,79.422 h1.54
  text "k16" at 0.762,79.359 h3
  text "K15" at 5.588,79.359 h3
  text "19" at 130.302,78.994 h1
  text "18" at 130.302,77.724 h1
  text "04-17" at 148.323,76.999 h1.54
  text "03-18" at 143.624,76.882 h1.54
  text "17" at 130.302,76.2 h1
  text "k18" at 0.762,75.041 h3
  text "K17" at 5.588,75.041 h3
  text "16" at 130.302,74.93 h1
  text "06-15" at 148.323,74.448 h1.54
  text "05-16" at 143.624,74.342 h1.54
  text "15" at 130.302,73.787 h1
  text "14" at 130.302,72.644 h1
  text "08-13" at 148.323,71.897 h1.54
  text "07-14" at 143.624,71.802 h1.54
  text "13" at 130.302,71.501 h1
  text "k19" at 0.762,70.85 h3
  text "K20" at 5.588,70.85 h3
  text "12" at 130.302,69.977 h1
  text "10-11" at 148.323,69.347 h1.54
  text "09-12" at 143.624,69.262 h1.54
  text "11" at 130.302,68.58 h1
  text "10" at 130.302,67.31 h1
  text "12-09" at 148.323,66.796 h1.54
  text "11-10" at 143.624,66.722 h1.54
  text "k21" at 0.762,66.532 h3
  text "K10" at 5.588,66.532 h3
  text "09" at 130.302,65.913 h1
  text "08" at 130.302,64.516 h1
  text "14-07" at 148.323,64.246 h1.54
  text "13-08" at 143.624,64.182 h1.54
  text "07" at 130.302,63.373 h1
  text "k22" at 0.762,62.468 h3
  text "K09" at 5.588,62.468 h3
  text "06" at 130.302,62.103 h1
  text "16-05" at 148.323,61.695 h1.54
  text "15-06" at 143.624,61.642 h1.54
  text "05" at 130.302,60.96 h1
  text "04" at 130.302,59.563 h1
  text "18-03" at 148.323,59.144 h1.54
  text "17-04" at 143.624,59.102 h1.54
  text "03" at 130.302,58.42 h1
  text "k24" at 0.762,58.277 h3
  text "K08" at 5.588,58.277 h3
  text "02" at 130.302,57.023 h1
  text "20-01" at 148.323,56.594 h1.54
  text "19-02" at 143.624,56.562 h1.54
  text "01" at 130.302,55.61 h1
  text "k23" at 0.762,54.086 h3
  text "K07" at 5.588,54.086 h3
  text "22-IB" at 148.323,54.043 h1.54
  text "21-IA" at 143.624,54.022 h1.54
  text "23-5V" at 143.624,51.482 h1.54
  text "24-VG" at 147.942,51.482 h1.54
  text "K01" at 0.762,49.641 h3
  text "K06" at 5.588,49.641 h3
  text "25-CL" at 143.624,48.942 h1.54
  text "26-DA" at 147.942,48.942 h1.54
  text "k02" at 0.762,44.942 h3
  text "K05" at 5.588,44.942 h3
  text "k03" at 0.762,41.005 h3
  text "K04" at 5.588,41.005 h3
  text "24+" at 143.129,34.274 h3
  text "P+" at 1.384,22.526 h5
  text "P-" at 1.638,14.906 h6
  text "VG" at 143.891,7.096 h3
  text "01" at 15.862,-0.08 h4
  text "02" at 26.657,-0.08 h4
  text "03" at 38.1,-0.08 h4
  text "04" at 49.748,-0.08 h4
  text "05" at 61.395,-0.08 h4
  text "06" at 73.043,-0.08 h4
  text "07" at 84.691,-0.08 h4
  text "08" at 96.339,-0.08 h4
  text "09" at 107.986,-0.08 h4
  text "10" at 119.634,-0.08 h4
Bottom Overlay:
  lines w0.127: 69.342,56.88 69.85,56.88 ; 69.596,56.626 69.596,57.134
  text "12" at 29.972,126.127 h4.5
  text "18" at 101.177,126.127 h4.5
  text "17" at 113.044,126.127 h4.5
  text "19" at 124.912,126.127 h4.5
  text "20" at 136.779,126.111 h4.5
  text "11" at 41.839,126.031 h4.5
  text "14" at 53.707,126.031 h4.5
  text "13" at 65.574,126.031 h4.5
  text "16" at 77.442,126.031 h4.5
  text "15" at 89.309,126.031 h4.5
  text "k12" at 4.953,87.741 h3
  text "K11" at 9.788,87.614 h3
  text "K14" at 5.334,83.677 h3
  text "K13" at 10.107,83.677 h3
  text "02-19" at 152.527,79.613 h1.54
  text "01-20" at 147.828,79.486 h1.54
  text "k16" at 5.004,79.359 h3
  text "K15" at 10.139,79.359 h3
  text "04-17" at 152.527,77.062 h1.54
  text "03-18" at 147.828,76.946 h1.54
  text "k18" at 4.981,75.041 h3
  text "K17" at 10.101,75.041 h3
  text "06-15" at 152.527,74.512 h1.54
  text "05-16" at 147.828,74.406 h1.54
  text "08-13" at 152.527,71.961 h1.54
  text "07-14" at 147.828,71.866 h1.54
  text "k19" at 4.975,70.85 h3
  text "K20" at 10.09,70.85 h3
  text "10-11" at 152.527,69.411 h1.54
  text "09-12" at 147.828,69.326 h1.54
  text "12-09" at 152.527,66.86 h1.54
  text "11-10" at 147.828,66.786 h1.54
  text "k21" at 4.667,66.532 h3
  text "K10" at 10.09,66.532 h3
  text "14-07" at 152.527,64.309 h1.54
  text "13-08" at 147.828,64.246 h1.54
  text "k22" at 4.966,62.468 h3
  text "K09" at 10.096,62.468 h3
  text "16-05" at 152.527,61.759 h1.54
  text "15-06" at 147.828,61.706 h1.54
  text "18-03" at 152.527,59.208 h1.54
  text "17-04" at 147.828,59.166 h1.54
  text "k24" at 5.039,58.277 h3
  text "K08" at 10.101,58.277 h3
  text "20-01" at 152.527,56.658 h1.54
  text "19-02" at 147.828,56.626 h1.54
  text "22-IB" at 152.527,54.107 h1.54
  text "k23" at 4.987,54.086 h3
  text "K07" at 10.101,54.086 h3
  text "21-IA" at 147.828,54.086 h1.54
  text "23-5V" at 147.828,51.546 h1.54
  text "24-VG" at 152.146,51.546 h1.54
  text "K01" at 5.089,49.641 h3
  text "K06" at 10.125,49.641 h3
  text "25-CL" at 147.828,49.006 h1.54
  text "26-DA" at 152.146,49.006 h1.54
  text "k02" at 4.966,44.942 h3
  text "K05" at 10.139,44.942 h3
  text "k03" at 4.987,41.005 h3
  text "K04" at 10.16,41.005 h3
  text "P+" at 3.429,26.035 h5 r90
  text "P-" at 4.064,19.177 h6 r90
  text "02" at 39.583,0.111 h4
  text "03" at 51.353,0.111 h4
  text "04" at 63.123,0.111 h4
  text "05" at 74.893,0.111 h4
  text "06" at 86.663,0.111 h4
  text "07" at 98.433,0.111 h4
  text "08" at 110.204,0.111 h4
  text "09" at 121.974,0.111 h4
  text "10" at 133.744,0.111 h4
  text "01" at 27.813,0 h4
Top Solder:
  drawing of 325 lines, arcs and shapes, not listed
Bottom Solder:
  drawing of 169 lines, arcs and shapes, not listed
Mechanical 1:
  circle w0.127: c150,123 r1.5
  circle w0.127: c13.97,123 r1.5
  circle w0.127: c150,6 r1.5
  circle w0.127: c1.143,37.084 r1
  lines w0.127: -29.715,30.089 cw(c-28.315,30.089) -28.315,31.489 ccw(c-28.315,32.889) -26.915,32.889 ; -29.71,30.084 -29.71,10.663 ccw(c-28.31,10.663) -28.31,9.263 cw(c-28.31,7.863) -26.91,7.863 ccw(c-24.41,7.863) -21.91,7.863 ; -26.91,32.863 cw(c-24.41,32.863) -21.91,32.863 ccw(c-20.51,32.863) -20.51,31.463 cw(c-20.51,30.063) -19.11,30.063 ; -24.384,7.858 -10.795,7.858 ; -24.384,32.877 -4.953,32.877 ; -21.905,7.838 cw(c-20.505,7.838) -20.505,9.237 ccw(c-20.505,10.637) -19.105,10.637 -19.105,30.058 ; -2.794,38.3 -18.195,38.3 ; -2.54,92.3 -18.195,92.3 ; -1.6,38.77 -1.6,39.57 ; 0,38.481 0,0 28,0 28,1 cw(c30,1) 32,1 ; 0.016,38.481 0.5,38.481 0.5,91.627 0.5,92 10,92 10,130 18,130 28,130 28,129 ccw(c30,129) 32,129 32,130 152.38,130 152.38,0 32.004,0 32.004,1 ; -18.195,38.3 -18.195,92.3 ; -18.195,38.3 -30.695,38.3 -30.695,92.3 -18.195,92.3 ; -36.195,-1.8 -36.195,131.8 -16.51,131.8 -16.51,-1.8 -36.195,-1.8 ; 153.035,0 153.035,130 220,130 220,0 153.035,0

## Dimensions
152.38,0 to 152.38,130 on Mechanical 1
0,0 to 152.38,0 on Mechanical 1
-0.83,92 to 5.112,130 on Top Overlay
-1.6,38.77 to 0,38.481 on Top Overlay
0,130 to 10,130 on Top Overlay
220,0 to 160.02,-0.143 on Mechanical 1

## Text inside footprints (layer, text, board x,y; h text height)
JR: Top Overlay "2" at 141.732,83.067 h1.27 r270; Top Overlay "1" at 139.344,83.067 h1.27 r270
P24_O: Top Overlay "2" at 150.382,19.173 h1.3 r90; Top Overlay "1" at 150.382,14.373 h1.3 r90; Top Overlay "4" at 150.382,30.873 h1.3 r90; Top Overlay "3" at 150.382,26.073 h1.3 r90